# KiCad board msf-owl-clock.kicad_pcb (continued)
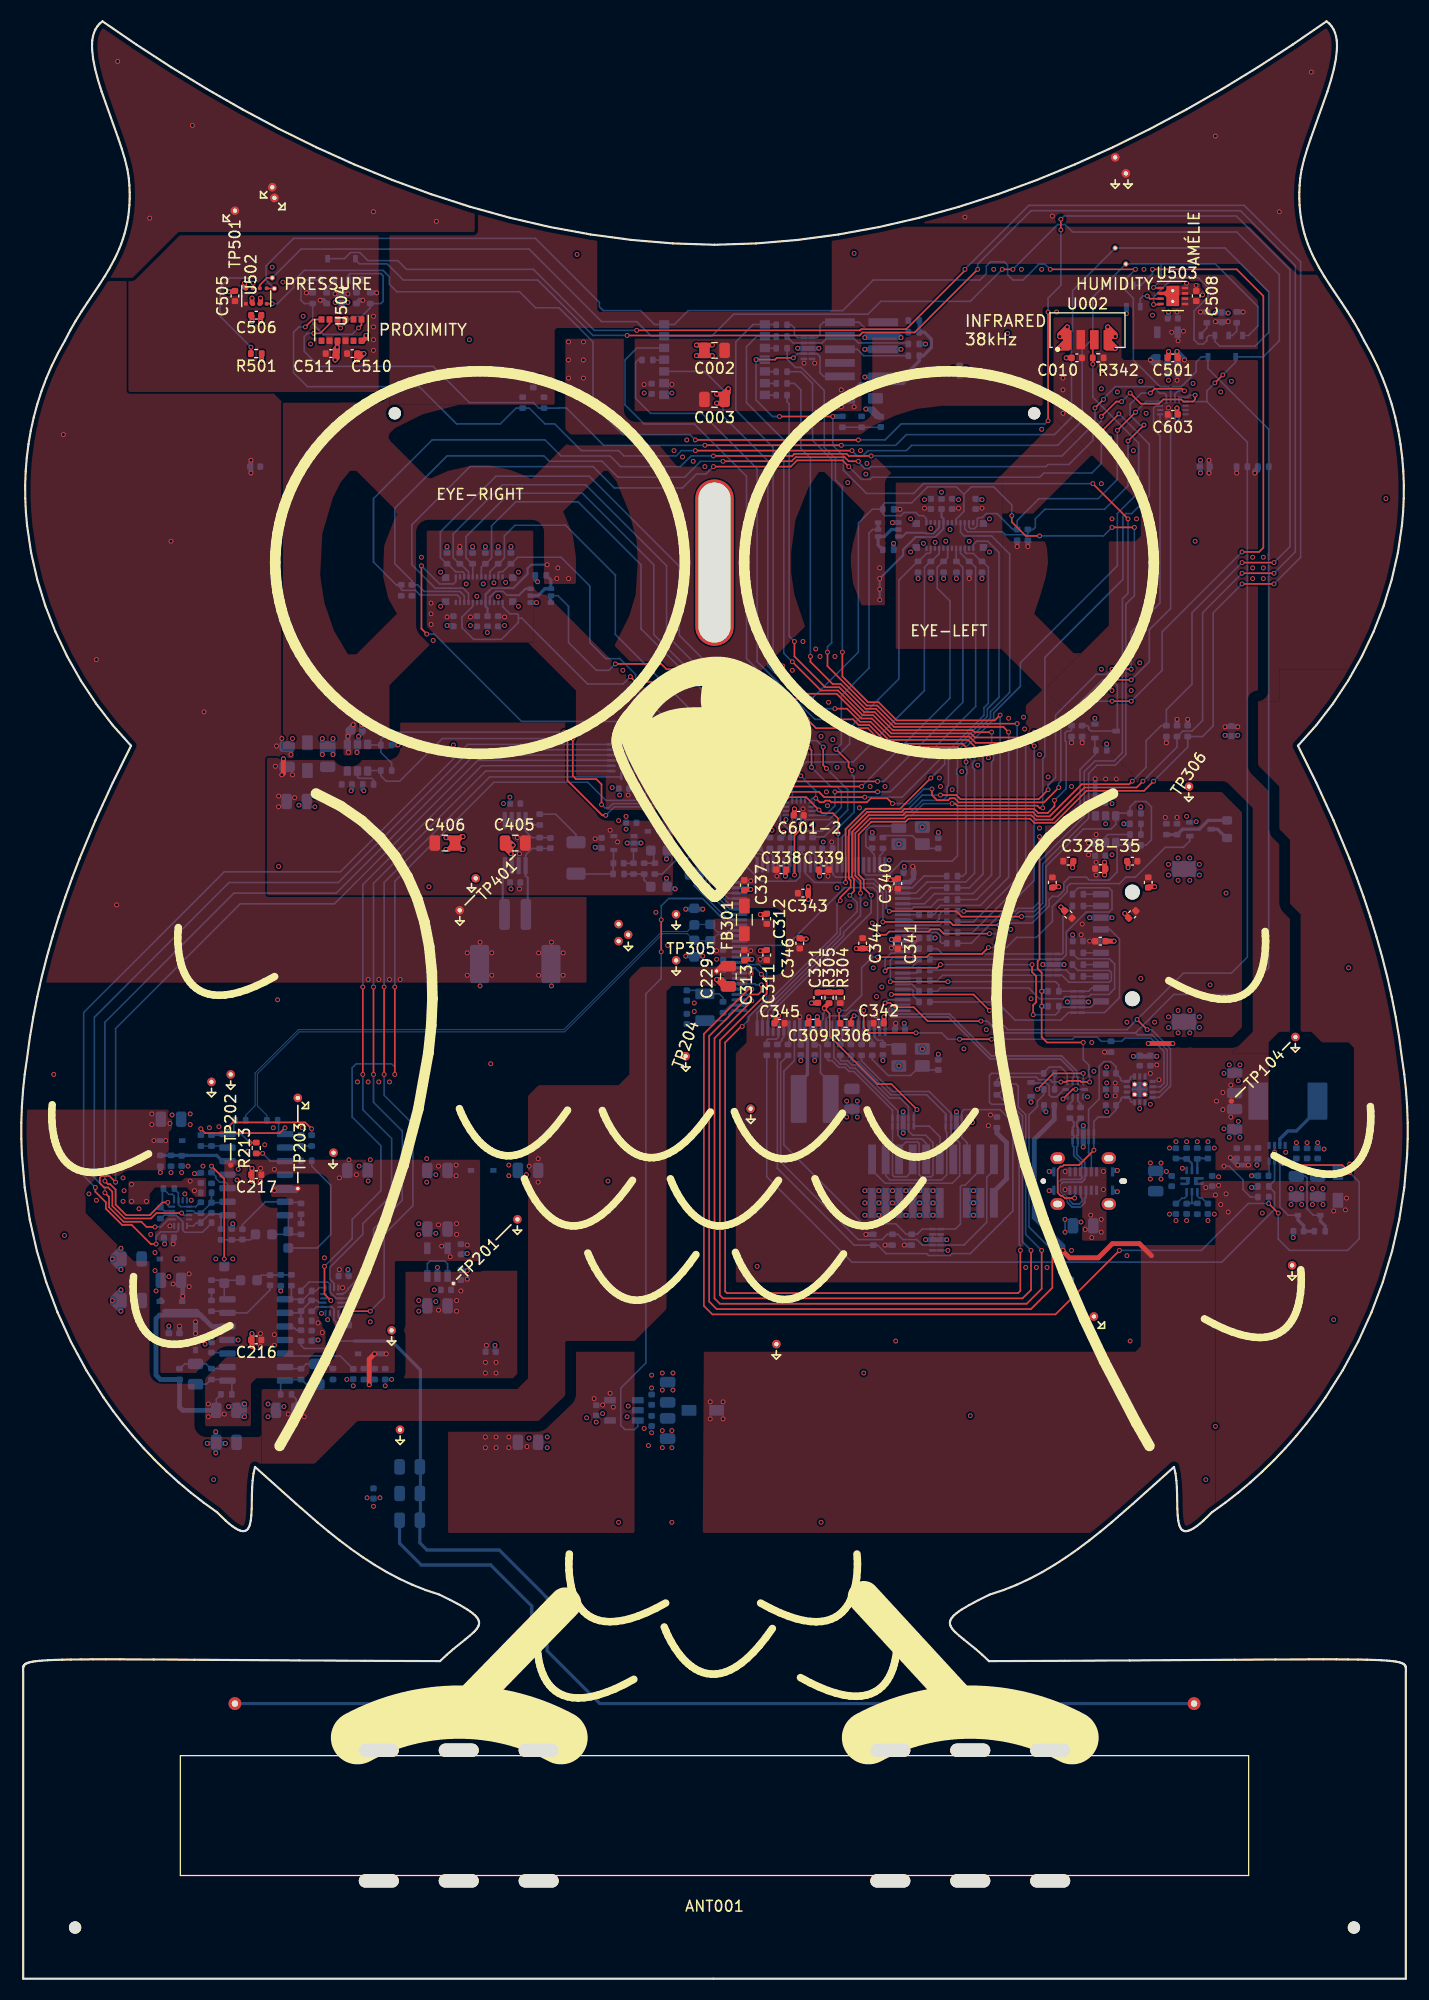
[diagram p0: board, top side]
## Routing (per net, layer and track width the routed paths; a pad name or vN(x,y) marks a point on that pad's centre or on a via; arc(x,y) is an arc through that point) (continued)
Net-(U203D--): length 6.9
  Bottom w0.152: 17.81,62.62 R234.2 19.19,62.59 U203.13 21.18,62.44 23.34,64.6 C237.2
Net-(U204A-+): length 4.5
  Top w0.152: 22.09,77.43 22.12,77.4 v1(22.64,77.4)
  Bottom w0.152: v1(22.64,77.4) 23.37,76.67 U204.3 24.77,76.7 R212.2
Net-(U204A--): length 2.6
  Bottom w0.152: U204.2 24.89,78.09 R216.1
Net-(U204B--): length 6.9
  Bottom w0.152: R244.2 26.15,72.8 24.8,72.8 U204.6 22.9,72.86 20.74,70.7 C242.2
Net-(U204C-+): length 13
  Top w0.152: v1(19.04,67.5) 19.04,75 v1(17.84,76.2)
  Bottom w0.152: U204.10 19.34,74.5 19.14,74.7 18.62,74.7 18.24,75.07 18.24,75.25 17.89,75.61 R235.1 v1(17.84,76.2) ; C238.1 v1(19.04,67.5)
Net-(U204D--): length 2.6
  Bottom w0.152: R217.1 19.19,78.09 U204.13
Net-(U301-PA08): length 3
  Bottom w0.128: R335.2 67.24,105.6 67.63,105.21 68.87,105.21 69.04,105.04 U301.26
Net-(U301-PA09): length 2.4
  Bottom w0.128: U301.27 69.54,105.3 69.34,105.5 68.77,105.5 68.28,105.99 R336.2
Net-(U301-PA10): length 1.9
  Bottom w0.128: U301.28 70.04,105.25 69.49,105.8 69.41,105.8 69.24,105.96 R337.2
Net-(U301-PA11): length 1.7
  Bottom w0.128: R338.2 70.24,105.6 70.54,105.3 U301.29
Net-(U301-PA16): length 4.6
  Bottom w0.152: U301.52 83.59,102.3 84.69,103.4 R334.1
Net-(U301-PA18): length 4.5
  Bottom w0.152: U301.54 84.32,101.3 85.32,102.3 R333.1
Net-(U301-PA20): length 1.8
  Bottom w0.152: R321.1 84.23,92.61 83.54,93.3 U301.70
Net-(U301-PA21): length 2.3
  Bottom w0.152: R320.1 84.23,91.62 83.67,92.19 83.67,92.67 83.54,92.8 U301.71
Net-(U301-PA31): length 1.6
  Bottom w0.152: R313.1 72.04,87.71 U301.94
Net-(U301-PB10): length 1.6
  Bottom w0.128: R339.2 72.24,105.5 72.04,105.3 U301.32
Net-(U301-PB14): length 2.2
  Bottom w0.152: R340.2 73.24,105.6 73.42,105.42 73.92,105.42 74.04,105.3 U301.36
Net-(U301-PB15): length 1.7
  Bottom w0.152: R341.2 74.24,105.6 74.54,105.3 U301.37
Net-(U301-PB18): length 2.4
  Bottom w0.152: R325.1 83.67,96.03 83.67,95.52 83.44,95.3 U301.66
Net-(U301-PB19): length 1.9
  Bottom w0.152: U301.67 83.5,94.8 84.23,95.53 R324.1
Net-(U301-PB20): length 1.7
  Bottom w0.152: R323.1 83.93,94.3 U301.68
Net-(U301-PB21): length 1.6
  Bottom w0.152: U301.69 84.03,93.8 R322.1
Net-(U301-PB25): length 2.3
  Top w0.152: v1(78.14,90.3) 77.85,90.01 R306.1
  Bottom w0.152: U301.81 78.54,90.2 78.44,90.3 v1(78.14,90.3)
Net-(U301-PB30): length 1.8
  Bottom w0.152: R312.1 71,87.61 71.4,88 71.4,88.15 71.54,88.3 U301.95
Net-(U301-PB31): length 2.5
  Bottom w0.152: R311.2 69.94,88 70.05,88.1 70.85,88.1 71.04,88.3 U301.96
Net-(U301-PC16): length 4.5
  Bottom w0.152: U301.56 83.54,100.3 83.74,100.49 85.34,100.49 86.04,101.2 R332.1
Net-(U301-PC17): length 1.5
  Bottom w0.152: U301.57 R331.1
Net-(U301-PC19): length 4.3
  Bottom w0.152: R330.1 86.44,99.1 86.14,98.8 U301.59
Net-(U301-PC20): length 4.3
  Bottom w0.152: R329.1 86.44,98.1 86.1,98.44 83.68,98.44 83.53,98.3 U301.60
Net-(U301-PC21): length 5
  Bottom w0.152: R328.1 86.39,97.1 86.23,97.26 86.23,97.79 85.89,98.13 83.8,98.13 83.47,97.8 U301.61
Net-(U301-PC24): length 2.2
  Bottom w0.152: U301.82 78.04,88.3 78.24,88.1 78.74,88.1 78.84,88 R317.1
Net-(U301-PC25): length 1.7
  Bottom w0.152: R316.1 77.84,88 77.54,88.3 U301.83
Net-(U301-PC26): length 1.6
  Bottom w0.152: U301.84 77.04,88.3 76.84,88.1 R315.1
Net-(U301-PC28): length 1.8
  Bottom w0.152: U301.86 76.04,88.3 75.92,88.17 75.76,88.17 75.64,88.05 R314.1
Net-(U302-ILIMIT): length 2.9
  Bottom w0.152: U302.5 101.74,107.1 101.94,107.3 R345.1
Net-(U401-ILIMIT): length 2.6
  Bottom w0.152: U401.5 31.54,112.7 31.67,112.57 32.87,112.57 33.05,112.39 R403.1
Net-(U402A--): length 2.2
  Bottom w0.152: U402.3 57.44,105.8 R406.2 57.43,104.6 C411.1
Net-(U403A--): length 5.1
  Bottom w0.152: C415.1 49.61,107.01 R409.1 47.92,107.01 47.32,107.61 47.32,108.61 47.74,108.61 48.17,108.19 R408.2
Net-(U502-CSB): length 11.6
  Top w0.152: v1(21.54,153) 21.53,152.99 R501.2 ; U502.2 21.74,158.55 v1(21.74,159)
  Bottom w0.152: v1(21.54,153) 18.64,155.9 18.64,158.6 19.53,159.48 21.26,159.48 v1(21.74,159)

## Copper pours and planes (outline as drawn; the poured copper is in the pictures)
GND on Top: 123.04,183.8 83.04,183.8 83.04,163.8 116.04,163.8 116.04,159.3 123.04,159.3
GND on Top: 42.54,183.8 7.04,183.8 7.04,159.5 10.44,159.5 14.74,163.8 42.54,163.8
GND on Top: -4.96,159.2 15.04,159.2 15.04,148.8 23.54,148.8 24.54,147.8 25.54,147.8 25.54,102.8 53.04,102.8 53.04,93.4 -4.96,93.4
GND on Top: 107.74,158.8 108.94,158.8 109.14,159 110.64,159 110.64,158.6 111.04,158.2 111.04,157.7 110.74,157.7 110.54,157.9 108.74,157.9 108.54,157.7 107.74,157.7
GND on Bottom: 15.04,72.7 16.14,72.7 16.14,73.2 15.54,73.8 15.04,73.8
GND on Bottom: 71.94,103.1 71.34,103.1 71.34,105.3 71.84,105.3 71.84,103.7 71.94,103.6
GND on Bottom: 102.64,105.8 101.24,105.8 101.24,103.2 102.64,103.2
GND on Bottom: 62.04,92.1 62.04,90.1 62.94,90.1 63.44,90.6 63.44,91.6 62.94,92.1
GND on Bottom: 101.34,108 102.14,108 102.14,109.6 102.64,110.1 102.64,111.2 101.34,111.2
GND on Bottom: 27.94,62.7 29.04,62.7 29.04,61.6 27.94,61.6
GND on Bottom: 107.34,105.4 110.84,105.4 110.84,102.7 107.34,102.7
GND on Bottom: 109.64,76.4 109.64,75.4 108.34,75.4 108.24,75.3 108.24,75 107.34,75 107.04,74.7 105.54,74.7 105.54,76.8 107.94,76.8 107.94,76.5 108.04,76.4
GND on Bottom: 21.94,76.2 18.54,76.2 18.54,75.1 19.84,75.1 20.24,74.7 20.24,74.5 21.94,74.5
GND on Bottom: 122.54,77.4 122.54,78.7 118.44,78.7 118.44,77.4
GND on Bottom: 45.64,127.2 41.84,127.2 41.84,125.9 45.64,125.9
GND on Bottom: 73.64,90.5 73.64,88.3 74.24,88.3 74.24,90.5
GND on Bottom: 21.94,60.8 16.94,60.8 16.94,59.2 20.34,59.2 20.44,59.1 21.94,59.1
GND on Bottom: 13.84,81.4 16.14,81.4 16.14,79.8 14.24,79.8 14.24,80.5 13.84,80.8
GND on Bottom: 118.84,74.4 122.44,74.4 122.44,72.3 118.84,72.3
GND on Bottom: 75.54,106.9 75.54,105.5 75.34,105.3 75.34,103.1 74.64,103.1 74.64,105.3 74.84,105.5 74.84,106.9
GND on Bottom: 80.84,105.2 81.74,105.2 81.74,103.7 80.84,103.7
GND on Bottom: 55.14,112 56.44,112 56.44,110.7 55.94,110.7 55.14,111.5
GND on Bottom: 33.14,74.6 31.74,74.6 31.74,75.7 31.44,76 31.44,77 33.14,77
GND on Bottom: 72.94,108.4 71.34,108.4 71.34,109.9 72.04,109.9 72.34,110.2 72.34,110.9 73.74,110.9 73.74,110.2 73.04,110.2 72.94,110.1
GND on Bottom: 68.94,95.3 66.54,95.3 66.44,95.2 64.94,95.2 64.94,96.1 68.94,96.1
GND on Bottom: 107.94,152.9 107.14,152.9 107.14,149.6 107.94,149.6
GND on Bottom: 104.64,82.5 106.24,82.5 106.24,81.3 104.64,81.3
GND on Bottom: 55.54,116.8 56.54,116.8 56.54,115.7 56.64,115.6 57.14,115.6 57.14,113.4 55.94,113.4 55.94,115.5 55.54,115.9
GND on Bottom: 112.54,86 112.54,84 114.84,84 114.84,86
GND on Bottom: 91.24,137.3 91.24,133.4 88.44,133.4 88.44,133.9 85.04,133.9 85.04,133.4 82.94,133.4 82.94,137.3
GND on Bottom: 52.74,53.3 55.84,53.3 55.84,51.9 52.74,51.9
GND on Bottom: 84.44,138.4 88.24,138.4 88.24,139.7 84.44,139.7
GND on Bottom: 88.54,81.1 89.54,81.1 89.54,79.5 88.54,79.5
GND on Bottom: 112.24,77.5 107.44,77.5 107.44,78.1 108.04,78.8 111.64,78.8 112.24,78.1
GND on Bottom: 107.34,91.1 110.84,91.1 110.84,88.4 107.34,88.4
GND on Bottom: 15.84,76.5 15.84,76 15.24,75.4 13.64,75.4 13.64,76.5
GND on Bottom: 47.74,74.9 47.74,75.7 47.34,76.1 47.34,76.7 45.44,76.7 45.44,74.9
GND on Bottom: 41.54,97.5 44.44,97.5 44.44,92.8 41.54,92.8
GND on Bottom: 22.84,54.2 24.94,54.2 24.94,53.4 24.64,53.1 24.64,52.4 22.84,52.4
GND on Bottom: 77.14,82.6 78.84,82.6 78.84,80.5 77.14,80.5
GND on Bottom: 58.24,52.3 61.54,52.3 61.54,49.5 58.24,49.5
GND on Bottom: 47.44,51.1 49.64,51.1 49.64,49.3 47.44,49.3
GND on Bottom: 66.74,104.6 66.74,103.4 66.54,103.2 66.54,102.6 66.64,102.5 68.74,102.5 68.74,101.9 65.74,101.9 65.74,104.6
GND on Bottom: 83.04,104.6 83.04,103.4 82.14,103.4 81.84,103.1 81.84,102.8 81.24,102.8 81.24,103.3 82.54,104.6
GND on Bottom: 58.64,57.1 61.54,57.1 61.54,54.3 58.64,54.3
GND on Bottom: 37.04,71.1 38.84,71.1 38.84,70.3 39.14,70 39.14,69.4 37.04,69.4
GND on Bottom: 111.04,72 112.24,72 112.24,70.8 111.04,70.8
GND on Bottom: 35.04,56.5 33.74,56.5 33.74,55.3 34.24,55.3 35.04,56
GND on Bottom: 38.54,67 38.54,65.1 37.04,64 37.04,62.3 38.74,62.3 38.74,63 38.84,63.1 39.14,63.1 39.14,63.9 39.34,64.1 39.74,64.1 39.74,64.9 39.54,65.1 39.54,67
GND on Bottom: 23.64,115.5 24.64,114.5 25.84,114.5 25.84,116.6 23.64,116.6
GND on Bottom: 27.84,109.6 27.84,111.2 26.24,111.2 26.24,110.6 25.84,110.2 25.84,109.6
GND on Bottom: 46.24,111.1 46.24,109.8 44.94,109.8 44.94,110.3 45.74,111.1
GND on Bottom: 37.54,77.2 38.84,77.2 38.84,76 39.14,75.7 39.14,75.2 38.14,74.4 37.54,74.4
GND on Bottom: 107.94,147.6 109.74,147.6 109.74,146 106.84,146 106.84,146.5
GND on Bottom: 32.24,45.3 33.84,45.3 33.84,44.9 33.34,44.4 33.34,44 32.74,44 32.74,44.4 32.24,44.9
GND on Bottom: 48.24,97.5 51.14,97.5 51.14,92.8 48.24,92.8
GND on Bottom: 112.54,80.6 112.54,78.6 114.84,78.6 114.84,80.6
GND on Bottom: 56.44,53.9 57.04,53.9 57.34,53.6 58.34,53.6 58.34,52.9 57.34,52.9 57.24,52.8 57.24,52.4 56.44,52.4
GND on Bottom: 109.04,109.3 110.54,109.3 110.54,108.1 109.04,108.1
GND on Bottom: 12.34,66.6 14.14,66.6 14.14,65.7 13.84,65.4 13.84,64.3 12.34,64.3
GND on Bottom: 107.44,72.1 109.74,72.1 109.74,70.8 107.44,70.8
GND on Bottom: 102.44,74.2 102.64,74 102.94,74 102.94,72 102.04,72 101.84,72.2 101.84,73.1 102.24,73.5 102.24,74.2
GND on Bottom: 102.24,75.2 102.44,75.2 102.94,75.7 102.94,77.6 101.24,77.6 101.24,76.3 102.04,76.3 102.24,76.1
GND on Bottom: 43.44,132.2 43.44,131.8 44.54,131.8 44.54,132.2 47.14,132.2 47.14,128.3 44.34,128.3 44.34,128.8 40.94,128.8 40.94,128.3 38.84,128.3 38.84,132.2
GND on Bottom: 58.14,149 61.34,149 61.34,147.9 58.14,147.9
GND on Bottom: 98.04,77.6 98.04,76.3 97.34,76.3 97.24,76.2 97.24,73.3 97.44,73.1 97.74,72.7 97.74,70.7 96.54,71.9 96.14,71.9 96.14,77.6
GND on Bottom: 97.64,72.7 98.84,71.5 99.44,71.5 99.44,69.6 97.64,69.6
GND on Bottom: 68.64,110.2 67.64,110.2 67.64,109.8 66.34,109.8 66.34,109.2 68.64,109.2
GND on Bottom: 102.14,81 102.14,85.8 101.44,85.8 101.44,81
GND on Bottom: 46.34,101.9 46.34,106.6 45.74,106.6 45.74,105.3 45.84,105.2 45.84,103.3 45.64,103.1 45.64,101.9
GND on Bottom: 30.24,56.5 31.54,56.5 31.54,55.3 31.04,55.3 30.24,56
GND on Bottom: 57.04,109.2 56.24,109.2 55.84,108.8 55.84,108.4 56.74,107.5 57.04,107.5
GND on In1.Cu, In2.Cu: -0.96,184.05 131.04,184.05 131.04,40.8 -0.96,40.8
/1-usb-and-power/CORE_VDD_{+5V} on Top: 40.44,149.3 41.44,147.7 37.64,146.7 35.04,145.4 34.54,144.9 34.44,144.5 34.64,144.2 39.04,139.8 36.04,136.8 30.04,142.8 30.04,149.3
/1-usb-and-power/CORE_VDD_{+5V} on Top: 110.64,74.8 124.94,74.8 125.04,74.9 125.04,87.3 124.54,87.8 122.04,87.8 121.04,88.8 120.04,88.8 120.04,99.8 119.04,100.8 119.04,106.8 118.04,107.8 118.04,111.8 116.04,113.8 116.04,119.8 118.04,119.8 118.04,122.8 133.04,122.8 133.04,41.8 112.04,41.8 112.04,73.8 110.64,73.8
/1-usb-and-power/CORE_VDD_{+5V} on Top: 47.04,139.8 52.04,144.8 59.04,144.8 64.04,138.8 64.04,125.8 66.04,125.8 66.04,122.1 58.54,122.1 55.64,125 57.04,127.8 57.64,129.8 57.84,132.8 57.74,134.8 57.04,137.5 55.84,140.4 55.04,141.4 54.64,141.4 50.04,136.8
/1-usb-and-power/CORE_VDD_{+5V} on Top: 83.04,139.8 78.04,144.8 66.84,144.8 66.84,141.8 61.04,141.8 61.04,139.3 66.84,139.3 66.84,126.8 64.84,124.8 64.84,122.3 69.04,122.3 73.54,126.8 72.54,129.8 72.24,131.8 72.24,133.8 72.64,136.8 73.84,139.8 74.84,141.3 75.34,141.3 79.14,137.5 78.44,136.1 78.04,134.6 77.84,133.5 77.84,132.6 78.04,130.8 78.84,128.8 83.04,128.8
/1-usb-and-power/CORE_VDD_{+5V} on Top: 34.54,169.8 54.04,169.8 54.04,156.5 54.24,156.3 75.84,156.3 76.04,156.5 76.04,164.3 115.24,164.3 119.74,159.8 133.04,159.8 133.04,119.8 116.04,119.8 116.04,147.8 117.04,147.8 117.04,158.1 114.34,160.8 89.04,160.8 83.04,154.8 50.24,154.8 50.04,154.6 50.04,147.6 34.54,147.6
/1-usb-and-power/CORE_VDD_{+5V} on Top: 52.04,130.8 52.04,133.3 51.74,135.4 50.84,137.6 47.94,140.6 47.14,141 45.84,141.5 43.94,141.9 42.24,141.9 40.04,141.4 38.44,140.7 37.64,140.9 34.94,138.2 35.24,137.3 34.94,136.7 34.04,134.4 33.94,131.5 34.44,129.4 35.24,128 31.04,123.8 34.04,120.8 38.54,125.3 38.54,135.1 47.54,135.1 47.54,130.8
/1-usb-and-power/CORE_VDD_{+5V} on Top: 110.64,74.8 113.34,74.8 113.24,41.8 63.94,41.8 64.04,58.8 104.54,58.8 105.04,59.3 105.04,68.8 111.94,68.8 112.04,68.9 112.04,73.1 111.94,73.2 110.64,73.2
/1-usb-and-power/CORE_VDD_{+5V} on Top: 32.04,141.4 30.84,141.4 29.94,140.3 29.24,138.9 28.24,135.5 28.04,131.6 28.44,129 29.34,126.4 30.64,124.2 31.74,124.2 34.54,121.4 34.54,115.3 31.34,115.3 31.24,115.2 31.04,114.7 30.24,114.7 30.24,115.2 30.14,115.3 24.54,115.3 24.54,148.3 32.04,148.3
/1-usb-and-power/CORE_VDD_{+5V} on Bottom: 64.34,54.4 66.24,54.4 66.24,52.2 64.34,52.2
/1-usb-and-power/CORE_VDD_{+5V} on Bottom: 43.34,127.2 43.34,129.9 43.94,130.5 46.14,130.5 47.14,131.5 47.14,133.2 52.04,133.2 52.04,130.8 49.04,130.8 49.04,132 48.54,132 48.54,130.8 47.94,130.8 47.94,129.8 44.14,129.8 44.14,127.2
/1-usb-and-power/CORE_VDD_{+5V} on Bottom: 98.34,83.1 98.34,82.3 97.94,82.3 97.44,81.8 97.44,79.8 95.14,77.5 94.84,77.5 94.84,80.9 96.14,80.9 96.44,81.2 96.44,82.6 97.24,82.6 97.74,83.1
/1-usb-and-power/CORE_VDD_{+5V} on Bottom: 80.04,133.4 82.04,133.4 82.24,133.6 82.24,135.4 84.54,135.4 84.54,134.9 83.74,134.9 82.84,134 82.84,132.2 81.94,132.2 81.24,131.5 81.24,128.8 80.04,128.8
/1-usb-and-power/CORE_VDD_{+5V} on Bottom: 122.64,74.1 124.84,74.1 124.84,71.6 122.64,71.6
/1-usb-and-power/CORE_VDD_{+5V} on Bottom: 110.04,75.3 110.54,75.8 110.54,76 114.04,76 114.04,70.8 112.04,70.8 110.04,72.8
/1-usb-and-power/USBC_VBUS on Top: 97.44,76.1 101.84,76.1 101.84,69.2 99.54,69.2 99.54,73.1 99.24,73.5 97.44,73.5
/1-usb-and-power/USBC_VBUS on Bottom: 97.44,75.2 98.54,75.2 98.54,76.2 97.44,76.2
/1-usb-and-power/USBC_VBUS on Bottom: 103.34,76.2 103.54,76.4 103.54,78.4 105.14,78.4 105.34,78.6 105.34,83.9 104.04,85.2 103.54,85.6 103.54,88 110.04,88 110.04,75.8 111.04,75.8 111.04,69.2 99.54,69.2 99.54,71.7 100.44,72.6 100.44,75.1 100.64,75.1 100.74,75.2 100.74,76.2
/2-msf-receiver/MSF_RCV_VREF_{+1.8V} on Top: 28.54,58.7 27.54,58.7 27.04,58.2 27.04,56.8 26.54,56.3 22.04,56.3 21.54,55.8 21.54,51.8 17.24,51.8 17.24,56.3 19.24,58.3 24.54,58.3 25.04,58.8 25.04,73.1 24.84,73.3 23.44,73.3 23.44,74.5 27.94,74.5 27.94,61.8 28.24,61.5 28.24,61.1 28.54,60.8
/2-msf-receiver/MSF_RCV_VREF_{+1.8V} on Top: 17.34,75.1 17.34,73.3 16.34,73.3 15.54,74.2 12.54,74.2 12.04,73.6 12.04,72.6 10.04,72.6 10.04,74.8 15.04,74.8 15.34,75.1
/2-msf-receiver/MSF_RCV_VREF_{+1.8V} on Bottom: 26.94,62 27.64,62 28.54,61.1 28.54,60.3 26.94,60.3
/2-msf-receiver/MSF_RCV_VREF_{+1.8V} on Bottom: 34.04,50.8 36.44,50.8 36.44,41.8 34.04,41.8
/2-msf-receiver/MSF_RCV_VREF_{+1.8V} on Bottom: 15.54,75.1 18.24,75.1 18.24,74.2 17.44,74.2 17.34,74.1 17.34,73.3 15.54,73.3
/2-msf-receiver/MSF_RCV_VREF_{+1.8V} on Bottom: 12.04,66.8 12.14,66.9 13.54,66.9 13.54,67.9 12.14,67.9 12.04,68 12.04,74.8 9.24,74.8 7.24,72.8 -0.46,72.8 -0.46,41.8 34.34,41.8 34.34,50.8 21.74,50.8 21.54,51 21.54,54.5 15.54,54.5 15.24,54.8 15.24,56.5 13.14,56.5 12.84,56.8 12.84,61.7 13.14,62 16.94,62 16.94,62.4 16.64,62.7 16.64,63.3 13.54,63.3 13.44,63.4 13.44,63.9 12.44,63.9 12.04,64.3
/2-msf-receiver/MSF_RCV_VREF_{+2.5V} on Top: 68.74,94.9 68.74,94 67.84,93.1 61.04,93.1 60.54,92.6 60.54,62.8 57.54,59.8 51.14,59.8 51.04,59.7 51.04,54.7 48.54,52.3 31.54,52.3 27.54,48.3 22.54,48.3 22.54,55.3 46.54,55.3 47.54,56.3 47.54,82.8 48.54,83.8 56.04,83.8 57.04,84.8 57.04,93.8 58.14,94.9
/2-msf-receiver/MSF_RCV_VREF_{+2.5V} on Top: 22.34,50.8 23.04,51.5 23.04,48.3 21.94,48.3 21.94,41.5 -0.96,41.5 -0.96,81.5 13.84,81.5 13.84,81 14.14,80.7 14.14,79.7 13.84,79.4 13.84,77.6 13.54,77.3 13.54,75.6 13.24,75.3 7.24,75.3 6.04,74.1 6.04,71.8 10.54,67.3 17.54,67.3 17.54,51.8 18.54,50.8
/2-msf-receiver/MSF_RCV_VREF_{+2.5V} on Bottom: 11.94,81.4 11.94,79.8 12.14,79.6 12.14,78.3 13.84,78.3 13.84,79.8 14.14,80.1 14.14,80.4 13.74,80.8 13.74,81.4
/2-msf-receiver/MSF_RCV_VREF_{+2.5V} on Bottom: 28.84,56.5 29.64,56.5 29.64,52.4 24.74,52.4 24.74,53.1 25.04,53.4 25.04,55.2 26.34,55.2 26.94,54.6 28.74,54.6 28.84,54.7
/2-msf-receiver/MSF_RCV_VREF_{+2.5V} on Bottom: 64.94,95 66.54,95 66.64,94.9 68.74,94.9 68.74,93.9 66.64,93.9 66.54,94 64.94,94
/2-msf-receiver/MSF_RCV_VREF_{+2.5V} on Bottom: 49.04,77.2 49.04,74.4 43.84,74.4 43.84,77.2
/2-msf-receiver/MSF_VDD_{+3.6V} on Top: 13.04,68.1 12.54,68.6 12.54,70.3 14.04,71.8 19.04,71.8 19.04,76.8 43.04,76.8 43.04,67.3 35.14,67.3 35.04,67.2 35.04,56.8 32.94,56.8 32.84,56.7 32.44,56.7 32.34,56.8 13.04,56.8
/2-msf-receiver/MSF_VDD_{+3.6V} on Bottom: 13.94,65.3 14.24,65.6 14.24,66.5 16.04,66.5 16.04,64.3 15.44,64.3 15.34,64.2 14.94,64.2 14.84,64.3 13.94,64.3
/2-msf-receiver/MSF_VDD_{+3.6V} on Bottom: 40.64,67.4 40.04,67.4 39.74,67.7 39.14,67.7 39.14,69.5 39.24,69.6 39.24,70.1 38.84,70.5 38.84,71.1 41.14,71.1 41.14,69.8 41.54,69.4 42.14,69.4 42.14,68.5 40.74,68.5 40.64,68.4
/2-msf-receiver/MSF_VDD_{+3.6V} on Bottom: 14.44,60.2 16.74,60.2 16.74,61.6 14.44,61.6
/2-msf-receiver/MSF_VDD_{+3.6V} on Bottom: 29.34,64.4 30.44,64.4 30.44,66.8 29.34,66.8
/2-msf-receiver/MSF_VDD_{+3.6V} on Bottom: 31.74,56.5 33.54,56.5 33.54,55.3 31.74,55.3
/2-msf-receiver/MSF_VDD_{+3.6V} on Bottom: 29.64,74.9 31.64,74.9 31.64,75.6 31.24,76 31.24,77 29.64,77
/2-msf-receiver/MSF_VDD_{+3.6V} on Bottom: 42.64,75 39.24,75 39.24,75.7 38.84,76.1 38.84,76.6 42.64,76.6
/2-msf-receiver/MSF_VDD_{+3.6V} on Bottom: 22.14,76.2 23.34,76.2 23.44,76.1 25.54,76.1 25.54,74.6 23.44,74.6 23.34,74.5 22.14,74.5
/2-msf-receiver/MSF_VDD_{+3.6V} on Bottom: 22.14,60.8 23.34,60.8 23.44,60.7 25.54,60.7 25.54,59.2 23.44,59.2 23.34,59.1 22.14,59.1
/3-mcu-core/MCU_AV_{DD} on Top: 64.94,99.4 70.74,99.4 70.74,95.1 69.04,95.1 68.44,95.7 64.94,95.7
/3-mcu-core/MCU_AV_{DD} on Bottom: 64.94,96.6 65.14,96.8 67.84,96.8 67.94,96.7 68.74,96.7 69.24,96.2 69.64,96.2 69.64,95.3 68.94,95.3 68.94,95.8 68.64,96.1 64.94,96.1
/3-mcu-core/MCU_V_{DDCORE} on Bottom: 75.24,82.5 76.64,82.5 76.84,82.7 78.94,82.7 78.94,84.3 77.34,86 75.24,86.4 75.24,90.5 74.04,90.5 74.04,87.1 74.74,87.1 74.84,87 74.84,84.9 75.24,84.5
/3-mcu-core/SDCARD_V_{DD} on Top: 96.04,111.3 116.04,111.3 116.04,88.3 96.04,88.3
/3-mcu-core/SDCARD_V_{DD} on Bottom: 106.94,109.2 108.84,109.2 108.84,108 106.94,108
/3-mcu-core/SDCARD_V_{DD} on Bottom: 101.24,107.6 101.24,103.2 99.84,103.2 99.84,107.6
/3-mcu-core/SDCARD_V_{DD} on Bottom: 102.04,97.6 100.54,97.6 100.24,97.9 100.24,99.2 99.14,99.2 99.14,96.8 102.04,96.8
/4-audio-out/AUDIO_VDD_{+5V} on Top: 23.04,114.5 35.04,114.5 35.04,117.8 61.14,117.8 61.14,101.6 23.04,101.6
/4-audio-out/AUDIO_VDD_{+5V} on Bottom: 47.04,101.9 47.04,103.1 46.84,103.3 46.84,105.2 47.04,105.4 47.04,107.3 46.24,107.3 46.24,106.8 46.44,106.6 46.44,101.9
/4-audio-out/AUDIO_VDD_{+5V} on Bottom: 53.54,106.5 55.64,106.5 55.84,106.3 56.24,106.3 56.24,108 53.54,108
/4-audio-out/AUDIO_VDD_{+5V} on Bottom: 27.74,109.6 23.54,109.6 23.54,114.8 24.54,114.8 25.04,114.3 27.74,114.3
/5-sensors/SENSOR_VDD_{+2.8V} on Top: 113.64,159.8 116.04,157.4 116.04,152.8 104.24,152.8 104.24,156.6 104.04,156.8 96.04,156.8 95.84,156.6 95.84,147.5 86.34,147.5 83.94,147.2 82.04,146.6 79.84,145.6 78.74,144.8 51.54,144.8 51.04,145.3 51.04,159.8
/5-sensors/SENSOR_VDD_{+2.8V} on Top: 35.04,164.3 10.04,164.3 10.04,148.8 35.04,148.8
/5-sensors/SENSOR_VDD_{+2.8V} on Bottom: 32.54,157.3 51.04,157.3 53.04,155.3 53.04,149.8 49.54,149.8 49.44,149.7 49.44,148 46.64,148 46.64,149.7 46.54,149.8 42.54,149.8 40.54,151.8 32.54,151.8
/5-sensors/SENSOR_VDD_{+2.8V} on Bottom: 108.04,156.6 108.04,155.5 107.94,155.4 107.44,155.5 107.04,155.1 107.04,153.3 109.34,153.3 109.34,156.6
/BC805M_V_{DD} on Top: 78.84,147 57.54,147 57.54,153.8 78.84,153.8
/BC805M_V_{DD} on Bottom: 76.34,149.7 79.44,149.7 78.84,149.1 78.84,147.3 79.04,147.3 79.04,147.2 79.24,147 79.24,146 77.54,146 77.54,146.3 77.44,146.4 77.24,146.4 77.24,146.8 76.34,146.8
/BC805M_V_{DD} on Bottom: 72.94,152.1 74.84,152.1 74.84,151.1 72.94,151.1
/BC805M_V_{DD} on Bottom: 58.14,149 58.14,150.2 61.34,150.2 61.34,149
/CORE_VDD_{+3.3V} on Top: 48.04,125.3 39.54,125.3 38.04,126.8 38.04,135.8 48.04,135.8
/CORE_VDD_{+3.3V} on Top: 57.04,117.8 52.04,117.8 52.04,112.8 54.74,112.8 54.84,112.7 54.84,109.6 64.64,109.6 64.84,109.4 64.84,103 66.04,101.8 66.04,99.9 69.94,99.9 70.04,99.8 70.04,91.9 69.94,91.8 68.04,91.8 68.04,87.8 67.04,86.8 67.04,65.3 94.04,65.3 94.04,78.7 94.14,78.8 111.94,78.8 112.04,78.7 112.04,75.8 117.04,75.8 117.04,88.3 96.04,88.3 96.04,111.8 97.94,111.8 97.94,112.3 104.64,112.3 104.64,111.8 113.64,111.8 113.64,120.8 95.74,120.8 94.24,119.4 94.24,116.2 93.74,115.8 81.04,115.8 79.04,117.8 73.04,117.8 69.54,121.3 60.54,121.3
/CORE_VDD_{+3.3V} on Top: 96.84,147.1 96.84,145.9 91.24,140.3 91.24,137.4 94.94,137.4 100.34,142.8 100.74,142.8 100.74,143.2
/CORE_VDD_{+3.3V} on Top: 82.04,140.3 92.04,140.3 92.04,124.7 82.04,124.7
/CORE_VDD_{+3.3V} on Top: 117.04,86.8 117.04,87.8 118.04,88.8 121.04,88.8 121.04,119.8 116.04,119.8 116.04,151.8 103.44,151.8 103.24,152 103.24,155.8 96.84,155.8 96.84,146.5 105.04,138.3 105.04,135.3 104.54,134.8 102.04,134.8 102.04,126.9 95.94,120.8 105.04,112.3 113.04,112.3 115.54,109.8 115.54,88.8 113.54,86.8
/CORE_VDD_{+3.3V} on Top: 52.04,120.8 52.04,116.8 58.04,116.8 63.04,121.8 57.24,121.8 47.84,131.2 47.04,130.4 47.04,125.8
/CORE_VDD_{+3.3V} on Top: 102.04,124.3 98.74,124.3 95.04,128 95.64,129.8 96.14,131.5 96.34,132.8 96.24,134.2 96.04,134.8 92.84,134.8 91.84,135.8 91.84,124.8 95.74,120.9 95.74,118
/CORE_VDD_{+3.3V} on Bottom: 113.24,77.3 115.44,77.3 115.44,76.1 113.84,76.1 113.24,76.7
/CORE_VDD_{+3.3V} on Bottom: 109.14,149.6 109.54,150 109.54,153.2 107.84,153.2 107.84,150.6 106.54,149.6
/CORE_VDD_{+3.3V} on Bottom: 98.24,146.3 97.04,146.3 97.04,146.8 96.34,147.5 79.54,147.5 79.54,150.6 98.24,150.6
/CORE_VDD_{+3.3V} on Bottom: 117.14,84.2 114.64,84.2 114.34,83.9 111.84,83.9 111.84,80.7 114.34,80.7 114.64,80.4 117.14,80.4
/CORE_VDD_{+3.3V} on Bottom: 90.44,138.2 89.14,138.2 89.14,136 90.44,136
/CORE_VDD_{+3.3V} on Bottom: 45.64,127.4 44.24,127.4 44.24,128.3 44.14,128.4 44.14,129.3 44.54,129.3 44.54,128.8 44.64,128.7 45.64,128.7
/CORE_VDD_{+3.3V} on Bottom: 39.04,126.7 27.04,126.6 12.04,141.6 12.04,160.8 23.44,160.8 23.44,156.9 23.54,156.8 25.04,156.8 25.04,150.3 26.64,148.8 32.64,148.8 32.54,132.5 35.24,129.8 39.04,129.8
/CORE_VDD_{+3.3V} on Bottom: 75.94,103.1 75.94,105.1 76.04,105.2 76.54,105.2 76.54,106.9 75.74,106.9 75.74,105.7 75.34,105.3 75.34,103.1
/CORE_VDD_{+3.3V} on Bottom: 88.24,138.2 86.84,138.2 86.84,136.9 86.74,136.8 86.74,136.3 87.14,136.3 87.14,136.8 87.24,136.9 88.24,136.9
/CORE_VDD_{+3.3V} on Bottom: 39.64,127.4 40.94,127.4 40.94,129.6 39.64,129.6
/CORE_VDD_{+3.3V} on Bottom: 79.74,90.5 80.64,90.5 80.74,90.4 80.74,88.4 80.34,88.4 80.34,89.8 80.24,89.9 79.74,89.9
/CORE_VDD_{+3.3V} on Bottom: 90.44,81.3 91.94,81.3 91.94,80.3 91.14,80.3 91.04,80.2 91.04,79.7 90.44,79.7
/CORE_VDD_{+3.3V} on Bottom: 56.64,113.3 57.24,113.3 57.54,113 57.54,110.7 56.64,110.7
/CORE_VDD_{+3.3V} on Bottom: 70.84,106.5 70.84,103.7 70.64,103.5 70.64,103.1 71.34,103.1 71.34,105.2 71.44,105.3 71.74,105.3 71.74,106.5
/CORE_VDD_{+3.3V} on Bottom: 107.94,147.6 106.34,147.6 106.34,146.7 107.94,146.7
/CORE_VDD_{+3.3V} on Bottom: 66.54,104.6 66.54,102.5 68.74,102.5 68.74,103.6 67.74,104.6
/CORE_VDD_{+3.3V} on Bottom: 84.44,138.2 85.84,138.2 85.84,137.3 85.94,137.2 85.94,136.3 85.54,136.3 85.54,136.8 85.44,136.9 84.44,136.9
/CORE_VDD_{+3.3V} on Bottom: 74.54,110.2 74.54,109.5 73.84,109.5 73.64,109.3 72.94,109.3 72.94,110.2
/CORE_VDD_{+3.3V} on Bottom: 41.84,127.4 43.24,127.4 43.24,128.7 43.34,128.8 43.34,129.3 42.94,129.3 42.94,128.8 42.84,128.7 41.84,128.7
/CORE_VDD_{+3.3V} on Bottom: 68.64,109.3 69.24,109.3 69.44,109.5 70.14,109.5 70.14,110.2 68.64,110.2
/CORE_VDD_{+3.3V} on Bottom: 103.14,112 101.64,112 101.14,111.5 101.14,108.6 100.34,108.6 100.34,113 103.14,113
/CORE_VDD_{+3.3V} on Bottom: 82.24,102.4 83.24,102.4 84.04,103.2 84.04,104.6 83.04,104.6 83.04,103.4 81.24,103.5 81.24,102 81.94,102
/CORE_VDD_{+3.3V} on Bottom: 105.54,86.1 107.24,86.1 107.24,83.9 105.34,83.9 105.34,84.9 105.54,85.1
/CORE_VDD_{+3.3V} on Bottom: 102.24,84.3 104.14,84.3 104.14,82.5 102.24,82.5
Net-(CONN003-V_{CC}) on Bottom: 83.54,155.9 79.44,155.9 79.44,154.9 83.54,154.9
Net-(CONN004-V_{CC}) on Bottom: 90.84,71.3 93.14,71.3 93.14,80.1 91.04,80.1 91.04,79.3 92.14,78.2 92.14,75.5 90.84,74.2
Net-(D101-K) on Bottom: 124.14,74.4 124.14,77.4 118.44,77.4 118.44,74.4
Net-(D201-A) on Bottom: 20.14,58.3 20.14,59.1 17.04,59.1 17.04,60 13.44,60 13.44,58.5 17.24,58.5 17.44,58.3
Net-(D204-A) on Bottom: 34.54,56.8 30.24,56.8 30.24,57.8 29.84,58.2 28.94,58.2 28.74,58.4 28.94,58.6 29.64,58.6 30.04,59 32.44,59 32.44,58 32.54,57.9 34.54,57.9
Net-(D206-A) on Bottom: 12.54,76.7 18.04,76.7 18.44,76.3 20.14,76.3 20.14,77.1 18.74,77.1 18.44,77.4 15.94,77.4 15.84,77.5 15.84,79 14.34,79 14.34,78 14.24,77.9 12.54,77.9
Net-(D401-A) on Bottom: 47.24,110.7 47.24,109.9 46.84,109.4 46.84,107.7 45.64,107.7 45.64,109.5 46.34,109.5 46.44,109.6 46.44,110.7
Net-(D401-A) on Bottom: 59.34,106.9 59.34,111.1 46.44,111.1 46.44,109.8 47.54,109.8 47.74,110 51.74,110 53.54,108.2 53.54,107.8 55.34,107.8 55.34,106.9
Net-(FB201-P2) on Bottom: 63.44,52 59.94,52 59.54,52.4 57.14,52.4 57.14,54.7 58.64,54.7 58.64,54.4 58.84,54.2 59.54,54.2 59.94,54.6 63.44,54.6
Net-(FB401-P1) on Bottom: 26.14,116.8 26.14,114.4 27.44,114.4 27.64,114.2 27.64,111.5 31.04,111.5 31.04,114.4 30.34,114.4 30.14,114.6 27.94,114.6 27.94,116.8
Net-(U104-FB) on Bottom: 113.64,78.2 116.54,78.2 116.94,78.6 117.24,78.6 117.24,77.6 113.64,77.6
Net-(U201-OUT) on Top: 57.54,58.8 48.04,58.8 48.04,51.8 40.04,51.8 40.04,41.8 57.54,41.8
Net-(U201-OUT) on Top: 47.04,66.4 35.44,66.4 35.44,55.8 47.04,55.8
Net-(U201-OUT) on Bottom: 43.04,49.3 43.04,59.7 43.94,59.7 43.94,58.4 44.04,58.3 45.04,58.3 45.04,51.3 45.24,51.1 47.24,51.1 47.24,50.2 47.34,50.1 47.64,50.1 47.64,49.3
Net-(U201-OUT) on Bottom: 55.84,53.4 53.44,53.4 53.44,54.7 54.29,54.7 54.84,55.2 55.84,55.2
Net-(U201-OUT) on Bottom: 39.64,66.6 39.84,66.6 39.94,66.7 40.04,66.7 40.14,66.6 40.74,66.6 40.74,66 40.84,65.9 42.14,65.9 42.14,65.3 41.54,64.7 41.54,64.1 41.14,63.7 41.14,62.2 38.84,62.2 38.84,63 39.24,63 39.34,63.1 39.34,63.8 39.54,64 39.74,64 39.84,64.1 39.84,65 39.64,65.2

Small or netless copper shapes (teardrops, artwork), in the pictures only: 7 on Bottom

## Text on the board
B.Silkscreen: ! | *2 | *1 | *3 | *4 | I^{2}C SLAVE PERIPHERALS AND SENSORS: / USB PD 3.3V (0x22, U103) / PRESSURE 3.3V (0x77, U502) / HUMIDITY 2.8V (0x44, U503) / PROXIMITY 2.8V (0x29, U504) | * | 8Ω 1W (1.5W PEAK) | BLUETOOTH / 2.4GHz / BLE 5.2 | PIC32CX1025SG41100 / ARM SWD+ETM | BC805M / ARM SWD | USB TYPE C / USB2.0 DATA (FULL SPEED, 12Mbps) / 4.75V-5.25V, 1.5A (CHARGER / PD) | MSF ANTENNA - 60kHz AM | MICRO SD CARD / HIGH SPEED / UHS-I | JLCJLCJLCJLC | + | - | SD BUSY (!) | Amélie's MSF Owl Clock / Rev 0.1, June 2024 / Pete Restall <pete@restall.net>
User.Comments: QSPI skew - 20mm, or even 30mm, skew between QSPI clock and data is < 200ps which / should be fine up to ~50MHz.  Assuming an absolute best case of 25fps for both / displays means a clock of around 40MHz would be required. | A 2mm gap between clock and surrounding traces should induce near-end crosstalk of / around -40dB (1% of supply) for +3.3V logic with 1.5ns rise times.  This uses / around 5% of noise margin assuming 20% switching thresholds. / At 0.8mm gap (eg. around the SDHC) it's more like 25% of the noise margin is taken / up by crosstalk under the same assumptions. / Saturn PCB calculations for microstrips take into account impedance / termination / and are a bit more optimistic than the above. | After updating the PCB from schematic, some things revert: / - SPK001, re-attach MP pads to GND / - U201, re-attach pad 4 to GND / - U206 / U207, re-attach pad 7 to GND (and check pin 12 is unconnected) / - TP301, reset pad 1 to 0.3mm diameter / - XTAL301 / XTAL302, re-attach corner pads to GND / - Re-fill all zones | The DNP parts on the front of the board have had their paste mask removed.  If they are / to be populated later then ensure that the paste mask is restored.  The parts are C003 / and C229.  DNP parts on the back of the board will retain their paste mask as / appearance is of less importance. | !!! IMPORTANT !!! / PCBA Requirements due to the VL6180: / - Dry Reflow (ie. not Vapour Phase Reflow) / - No-Wash / Inform JLCPCB via support ticket after placing order
F.Fab: PCB Capabilities: / https://jlcpcb.com/capabilities/pcb-capabilities / Solder Mask Capabilities / Minimum Web: / https://jlcpcb.com/blog/226-basic-design-of-solder-mask / Tooling Holes (4x provided): / https://jlcpcb.com/help/article/47-How-to-add-tooling-holes-for-PCB-assembly-order / Order Number Location (bottom side, lower left): / https://jlcpcb.com/help/article/50-How-to-remove-order-number-from-your-PCB / Gerber Generation: / https://jlcpcb.com/help/article/362-how-to-generate-gerber-and-drill-files-in-kicad-7 / BOM Generation: / https://jlcpcb.com/help/article/81-How-to-generate-the-BOM-and-Centroid-file-from-KiCAD / !!! IMPORTANT !!! / This is a double-sided assembly.  Most components (and the heavier ones) are on the bottom side. / Drill map and fab layer files are supplied for reference / to aid assembly. / A gerbv project (msf-owl-clock.gvp) has also been supplied for convenience. / In addition to the standard BOM (msf-owl-clock-bom.csv), an interactive BOM (bom/msf-owl-clock-bom.html) has also been generated / that shows components as well as their placement in relation to the board outline / silkscreen (both sides). / PCBA Requirements due to the VL6180 (U504, top side, upper left): / - Dry Reflow (ie. not Vapour Phase Reflow) / - No-Wash / Any questions on layout or assembly, please get in touch with <pete@restall.net>
F.Silkscreen: C601-2 | AMÉLIE | PRESSURE | PROXIMITY | INFRARED / 38kHz | C328-35 | HUMIDITY
